# Altium PCB USB_HUB.PcbDoc (part 2 of 2)
Units mil, origin at the board's own origin, x right, y up, seen from the top; angles counter-clockwise.
Board outline 2559.06 x 3937.01 mil, 4 copper layers (Top Layer, Top GND, Bottom GND, Bottom Layer), stack 58.742 mil thick; 153 components, 104 nets, 461 pads, 534 vias.
Unrouted connection lines stored in the file: 1.
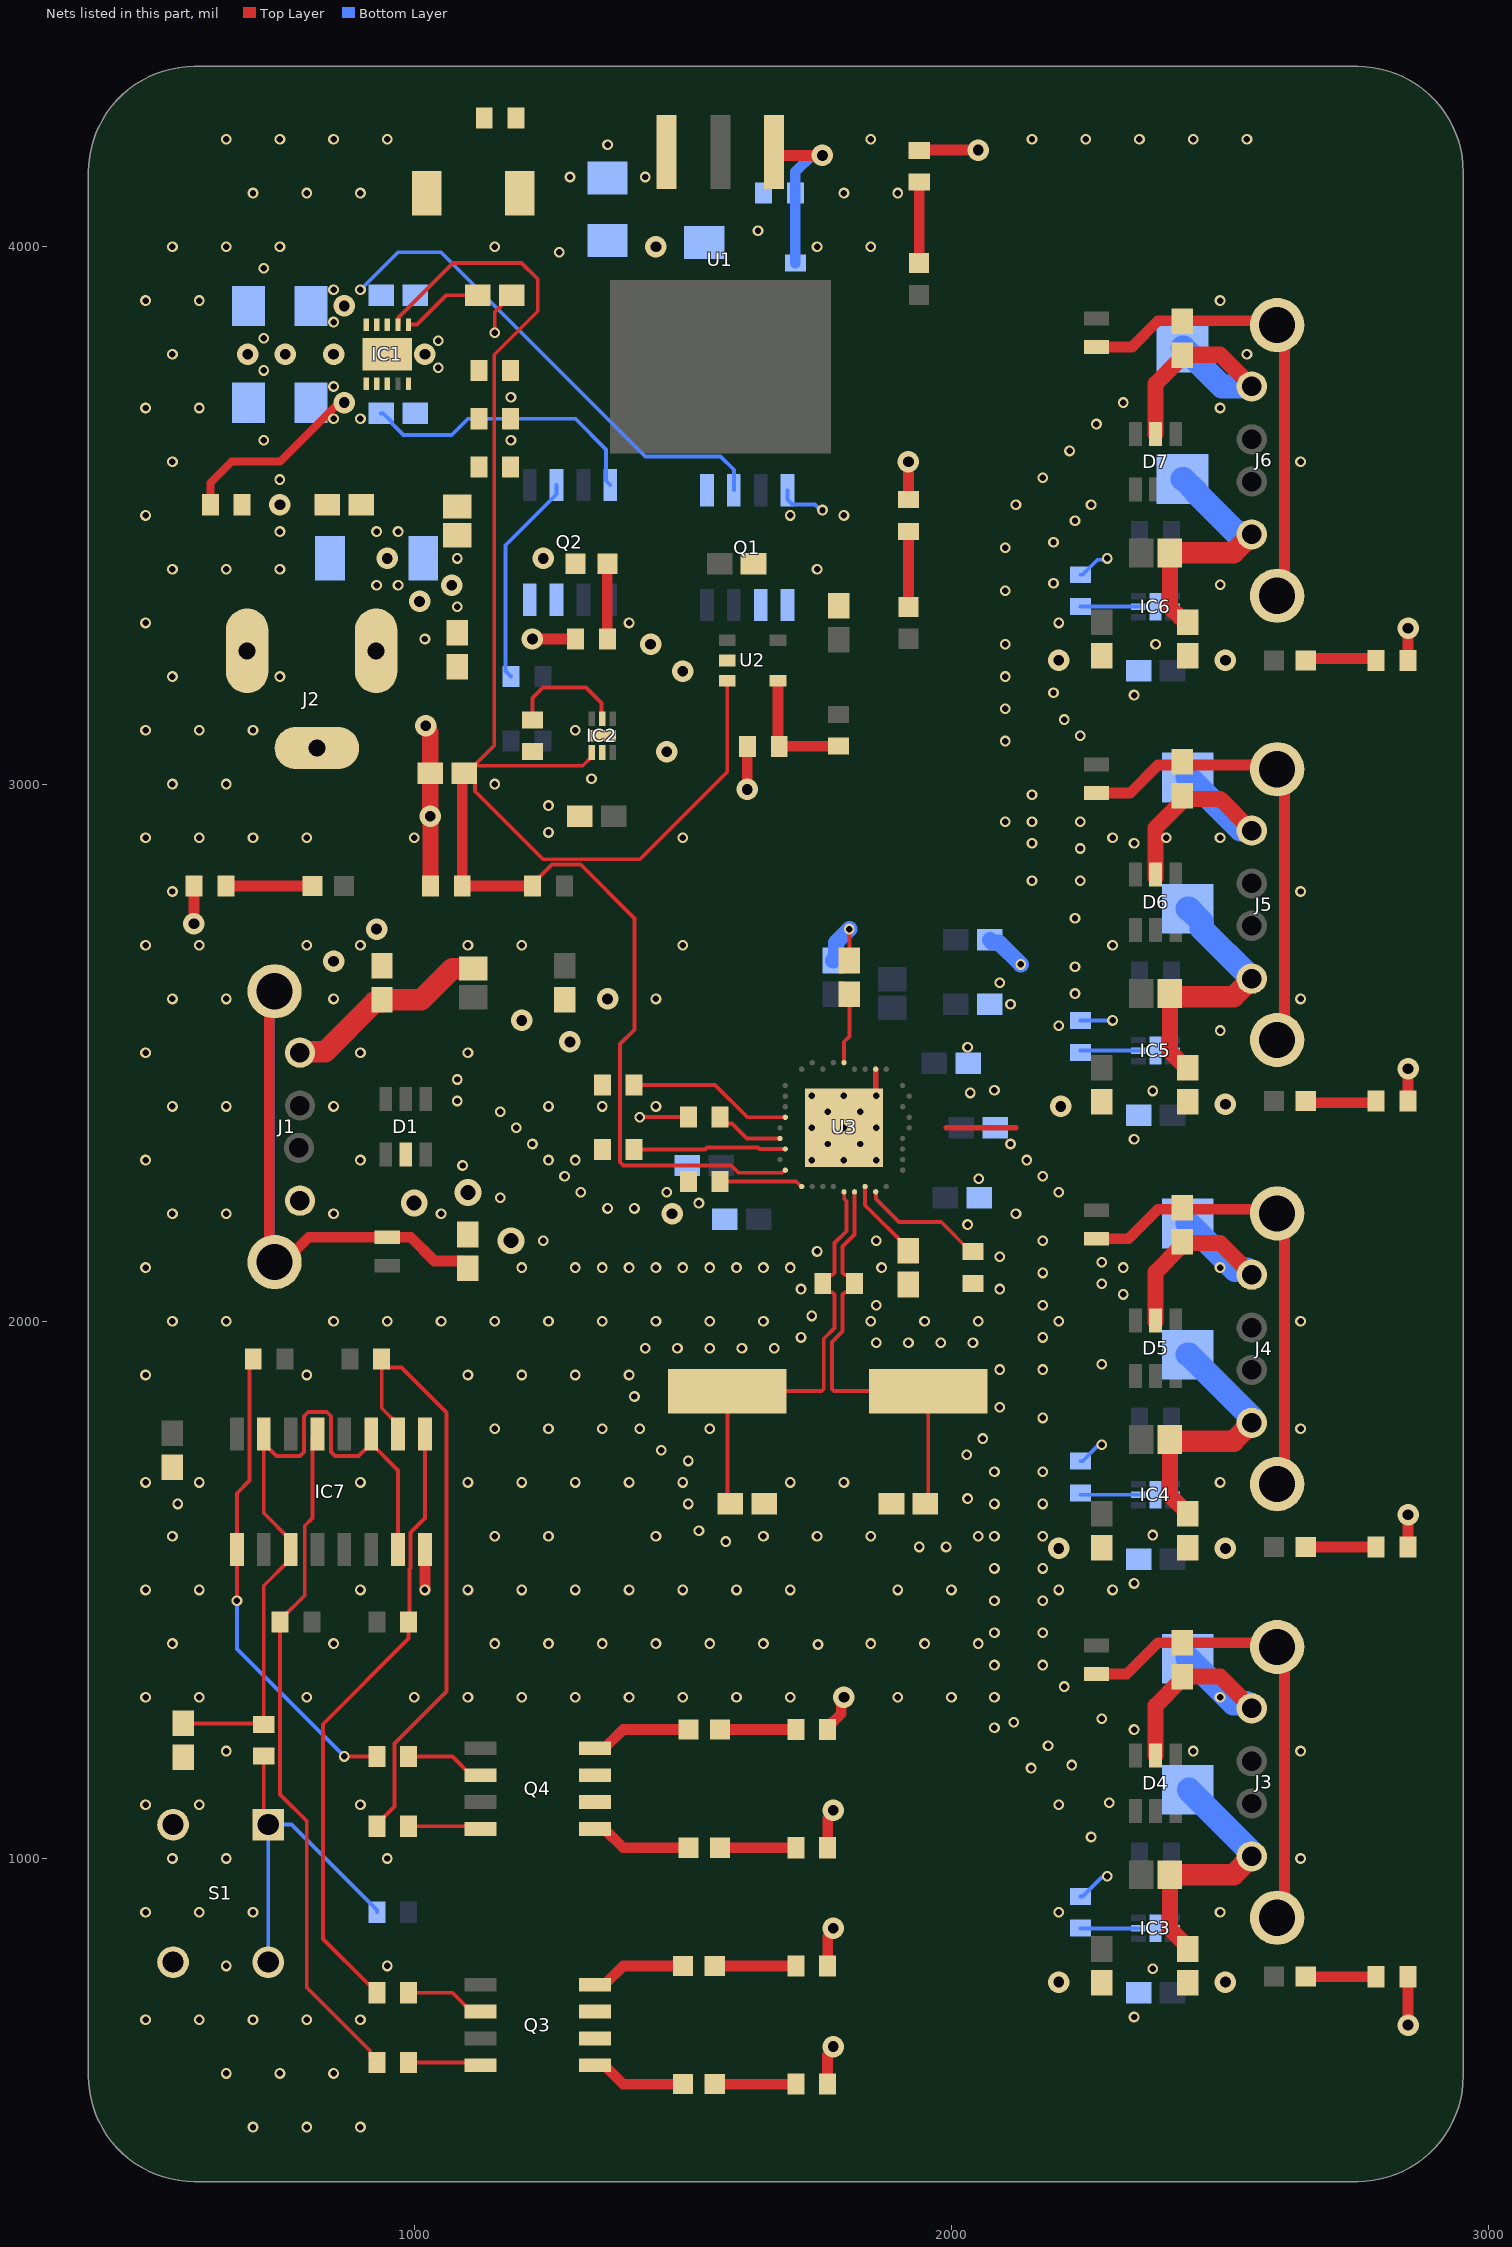
[diagram p4: the nets of this part, all layers, seen from the top]

## Via types
v1: diameter 20, hole 12, Top Layer to Bottom Layer, 456 vias
v2: diameter 40, hole 20, Top Layer to Bottom Layer, 71 vias
v3: diameter 157.48, hole 122.05, Top Layer to Bottom Layer, 4 vias
v4: diameter 50, hole 28, Top Layer to Bottom Layer, 3 vias

## Nets (pads, with @x,y where several pads share a name; then routed paths per layer and width w, separated by ;. In a path a pad name is that pad's centre, name@x,y a point inside that pad or via, vN(x,y) a via of type N, cw(c..) or ccw(c..) an arc to the next point about the centre after c; other vN are vias at no path point) (continued)
GND: C1.2 C2.2 C3.2 C4.2 C5.2 C6.2 C7.2 C8.2 C9.2 C10.2 C11.2 C12.2 C13.2 C14.2 C15.2 C16.2 C17.2 C18.2 C19.2 C20.2 C21.1 C22.1 C23.2 C24.2 C25.2 C26.2 C27.2 C28.2 C29.2 C30.2 C31.2 C32.2 C33.2 C34.2 C35.2 C36.2 C37.2 C38.2 C39.2 C40.2 C41.2 C42.2 C43.2 C44.2 C45.2 C46.2 C47.2 C48.2 C49.2 C50.2 D1.2 D4.2 D5.2 D6.2 D7.2 IC1.11 IC2.5 IC2.7 IC3.5 IC3.7 IC4.5 IC4.7 IC5.5 IC5.7 IC6.5 IC6.7 IC7.8 J1.4 J2.2 J2.3 J3.4 J4.4 J5.4 J6.4 Q1.4 R2.2 R3.1 R4.2 R7.1 R8.1 R10.2 R11.1 R12.2 R15.1 R16.1 R17.1 R18.1 R19.1 R20.1 R21.1 R22.1 R27.2 R28.2 R29.2 R30.2 R32.1 R39.2 R40.2 R45.2 R46.2 R47.1 R48.1 R49.1 R50.1 S1.3 S1.4 U2.2 U3.11 U3.37 | length 4133.7
  Top Layer w7.14: R3.1@590,2809.53 R3.1@590.47,2810 ; v1(1150,3840) 1150,3878.43 1161.35,3889.78 1161.35,3893.65 1177.71,3910 C15.2@1181.57,3910 ; v1(1420,2380) R30.2@1510.47,2380 ; R10.2@1620,3069.53 R10.2@1620.47,3070 ; C24.2@1810,2671.57 v1(1810,2730) ; U3.37@1859.06,2420.94 v1(1860,2420) ; R7.1@1940,4179.53 R7.1@1940.47,4180 ; R47.1@2849.53,780 R47.1@2850,779.53
  Top Layer w10: U3.37@1859.06,2420.94 U3.11@1859.06,2469.25 ; 1990,2360 2120,2360
  Top Layer w20: v2(590,2740) R3.1@590,2809.53 ; v1(1020,1500) IC7.8@1020,1575.43 ; R2.2@1030.24,2810.24 R2.2@1030.47,2810 ; v2(1220,3270) R12.2@1300.47,3270 ; v2(1620,2990) R10.2@1620,3069.53 ; R45.2@1769.53,580 1769.53,634.12 1780,644.59 v2(1780,650) ; R39.2@1769.53,800 1770,800.47 1770,854.59 1780,864.59 v2(1780,870) ; R46.2@1769.53,1020 1770,1020.47 1770,1074.59 1780,1084.59 v2(1780,1090) ; R40.2@1769.53,1240 1769.53,1243.94 1794.87,1269.28 1794.87,1294.87 v2(1800,1300) ; R11.1@1920,3529.53 v2(1920,3600) ; R7.1@1940.47,4180 v2(2050,4180) ; v2(2850,690) R47.1@2850,779.53 ; R48.1@2850,1575.59 2849.76,1575.83 2849.76,1639.76 v2(2850,1640) ; R49.1@2850,2405.59 2849.76,2405.83 2849.76,2469.76 v2(2850,2470) ; v2(2850,3290) 2849.76,3289.76 2849.76,3232.6 R50.1@2852.2,3230.16
  Top Layer w30: v2(1021.5,3108.5) 1021.5,3105.8 1030,3097.29 C4.2@1030,3020 v2(1030,2940) 1030.24,2939.76 R2.2@1030.24,2810.24 ; D4.2@2380,1191.65 2380,1284.57 C38.2@2425.08,1329.64 ; D5.2@2380,1998.74 D5.2@2380,2001.65 2380,2091.65 C42.2@2425.08,2136.73 ; D6.2@2380,2825.51 D6.2@2380,2831.65 2380,2918.43 C46.2@2425.08,2963.5 ; D7.2@2380,3651.65 2380,3745.2 C50.2@2425.08,3790.27 ; C38.2@2430,1338.43 2500.15,1338.43 J3.4@2559.06,1279.53 ; C42.2@2430,2145.52 2500.15,2145.52 J4.4@2559.06,2086.61 ; C46.2@2430,2972.29 2500.15,2972.29 J5.4@2559.06,2913.39 ; C50.2@2430,3799.06 2500.15,3799.06 J6.4@2559.06,3740.16
  Bottom Layer w7.14: Q1.4@1695,3546.77 1695,3529.55 1704.22,3520.32 1746.2,3520.32 1756.52,3510 v1(1760,3510) ; R19.1@2240,929.53 2243.94,929.53 2279.1,964.69 2287.64,964.69 v1(2290.1,967.15) ; R20.1@2240,1739.53 2243.94,1739.53 2271.95,1767.54 2277.54,1767.54 v1(2280,1770) ; R21.1@2240,2559.53 2240.47,2560 v1(2300,2560) ; R22.1@2240,3389.53 2243.94,3389.53 2271.95,3417.54 2287.54,3417.54 v1(2290,3420)
  Bottom Layer w30: C22.1@1780,2671.57 1784.92,2676.49 1784.92,2704.92 v1(1810,2730) ; C25.2@2071.57,2710 2076.49,2705.08 2088.26,2705.08 v1(2129.17,2664.17)
  Bottom Layer w45: C47.2@2430,3812.05 2431.97,3812.05 2503.86,3740.16 J6.4@2559.06,3740.16 ; C35.2@2440,1372.05 2441.97,1372.05 2525.08,1288.94 2549.64,1288.94 J3.4@2559.06,1279.53 ; C39.2@2440,2182.05 2441.97,2182.05 2527.99,2096.03 2549.64,2096.03 J4.4@2559.06,2086.61 ; C43.2@2440,3012.05 2441.97,3012.05 2538.46,2915.56 2556.89,2915.56 J5.4@2559.06,2913.39
  other v1: 700,500 800,500 900,500 650,600 750,600 850,600 500,700 600,700 700,700 800,700 900,700 2340,705 2375,795 650,800 950,800 500,900 600,900 700,900 2200,900 2500,900 550,1000 650,1000 950,1000 2650,1000 2260,1040 500,1100 600,1100 900,1100 2200,1100 2293.87,1103.87 2148.33,1168.33 2223.87,1173.87 650,1200 2450,1200 2650,1200 2180,1210 2340,1240 2080,1243.57 2115.95,1253.47 2280,1260 500,1300 600,1300 800,1300 1000,1300 1100,1300 1200,1300 1300,1300 1400,1300 1500,1300 1600,1300 1700,1300 1900,1300 2000,1300 2080,1300 2500,1300 2210,1320 2080,1360 2170,1360 1751.67,1398.33 550,1400 850,1400 1150,1400 1250,1400 1350,1400 1450,1400 1550,1400 1650,1400 1850,1400 1950,1400 2050,1400 2080,1420 2170,1420 2080,1480 2170,1480 500,1500 600,1500 900,1500 1100,1500 1200,1500 1300,1500 1400,1500 1500,1500 1600,1500 1700,1500 1900,1500 2000,1500 2200,1500 2300,1500 2340,1512.09 2080,1540 2170,1540 1940,1580 1990,1580 1580,1590 550,1600 1150,1600 1250,1600 1450,1600 1650,1600 1750,1600 1850,1600 2050,1600 2080,1600 2170,1600 2375,1602.09 1530,1610 560,1660 1510,1660 2080,1660 2170,1660 2030,1670 500,1700 600,1700 900,1700 1100,1700 1200,1700 1300,1700 1400,1700 1500,1700 1700,1700 1800,1700 2500,1700 2080,1720 2170,1720 1510,1740 2028.33,1751.67 1460,1760 2058.33,1781.67 1150,1800 1250,1800 1350,1800 1420,1800 1550,1800 2650,1800 2170,1820 2090,1840 1410,1860 500,1900 800,1900 1100,1900 1200,1900 1300,1900 1400,1900 2090,1910 2170,1910 2280,1920 1430,1950 1490,1950 1550,1950 1610,1950 1670,1950 1860,1960 1920,1960 1980,1960 2040,1960 1720,1970 2170,1970 550,2000 650,2000 850,2000 950,2000 1050,2000 1150,2000 1250,2000 1350,2000 1450,2000 1550,2000 1650,2000 1850,2000 1950,2000 2050,2000 2200,2000 2650,2000 1740,2010 1860,2030 2170,2030 2320,2050 1720,2060 2090,2060 2280,2070 2170,2090 500,2100 1200,2100 1300,2100 1350,2100 1400,2100 1450,2100 1500,2100 1550,2100 1600,2100 1650,2100 1700,2100 1870,2100 2320,2100 2500,2100 2280,2110 2090,2120 1750,2130 1240,2150 1860,2150 2170,2150 2030,2180 550,2200 650,2200 850,2200 1050,2200 2120,2200 1360,2210 1410,2210 1530,2220 1160,2230 1310,2240 1470,2240 2200,2240 2050.98,2265.43 1280,2270 2170,2270 1090,2290 500,2300 900,2300 1250,2300 1300,2300 1740,2300 1800,2300 1860,2300 2140,2300 1220,2330 1770,2330 1830,2330 2110,2330 2340,2338.86 1190,2360 1740,2360 1800,2360 1860,2360 1160,2390 1770,2390 1830,2390 550,2400 650,2400 850,2400 1250,2400 1350,2400 1450,2400 1080,2410 1740,2420 1800,2420 2035,2425 2375,2428.86 2080,2430 1080,2450 500,2500 900,2500 1100,2500 2030,2510 2500.48,2541.07 2200,2550 2110,2590 550,2600 650,2600 850,2600 1450,2600 2650,2600 2230,2610 2090,2630 2230,2660 500,2700 600,2700 800,2700 900,2700 1100,2700 1200,2700 1500,2700 2300,2700 2230,2750 550,2800 2650,2800 2150,2820 2240,2820 2240,2880 2150,2890 2340,2890 500,2900 600,2900 700,2900 800,2900 1000,2900 1500,2900 2300,2900 2400,2900 2500,2900 1250,2910 2100,2930 2150,2930 2240,2930 1250,2960 2150,2980 550,3000 650,3000 1150,3000 1330,3010 2100,3080 2240,3090 500,3100 600,3100 700,3100 1300,3100 2210,3120 2100,3140 2340,3165.63 2190,3170 550,3200 750,3200 2100,3200 2100,3260 2380,3260 500,3300 1400,3300 2200,3300 2100,3360 2500.48,3371.07 2190,3373.57 550,3400 650,3400 750,3400 1750,3400 2100,3440 2190,3450 750,3470 2230,3490 500,3500 1700,3500 1800,3500 2120,3520 2260,3520 749.59,3566.76 2170,3570 550,3600 2650,3600 2220,3620 720,3640 1180,3640 2270,3670 500,3700 600,3700 2500,3700 2320,3710 1180,3720 720,3770 1045,3775 550,3800 2550,3800 1045,3825 720,3830 500,3900 600,3900 2500,3900 720,3960 1270,3990 550,4000 650,4000 750,4000 1150,4000 1750,4000 1850,4000 1640,4030 700,4100 800,4100 900,4100 1800,4100 1900,4100 650,4200 750,4200 850,4200 950,4200 1850,4200 2150,4200 2250,4200 2350,4200 2450,4200 2550,4200
  other v2: 2200,770 2510,770 2200,1577.09 2510,1577.09 1480,2200 2203.57,2400 2510,2403.86 1290,2520 1200,2560 1360,2600 850,2670 930,2730 1470,3060 1500,3210 2200,3230.63 2510,3230.63 1440,3260 750,3520 690,3800 760,3800 850,3800 1020,3800 1450,4000
  other v4: 1180,2150 1000,2220 1100,2240
"Net3V3 SUPPLY_1": "3V3 SUPPLY.1" R11.2 | length 140.9
  Top Layer w20: 1920,3329.53 R11.2@1920,3470.47
"Net5V SUPPLY_1": "5V SUPPLY.1" R7.2 | length 150.9
  Top Layer w20: 1940,3969.53 R7.2@1940,4120.47
NetC1_1: C1.1 FB1.1 J1.1 | length 389.7
  Top Layer w40: J1.1@787.4,2500 789.22,2501.81 834.14,2501.81 926.97,2594.64 939.92,2594.64 940,2594.72 940,2598.47 940.08,2598.55 1013.31,2598.55 1070.88,2656.12 1109.51,2656.12 FB1.1@1110,2656.61
NetC3_1: C3.1 FB2.2 J1.MH1 J1.MH2 | length 1430.1
  Top Layer w20: J1.MH1@740.16,2614.17 730,2604.02 730,2120.39 J1.MH2@740.16,2110.24 757.58,2110.24 803.92,2156.57 993.43,2156.57 1037.78,2112.22 1090.08,2112.22 1100,2102.29 C3.1@1100,2098.43
  Bottom Layer w20: J1.MH2@740.16,2110.24 730,2120.39 730,2604.02 J1.MH1@740.16,2614.17
NetC5_1: C5.1 D2.1 FB3.1
  other v1: 1020,3270 1080,3330 930,3370 970,3370 1080,3420 930,3470 970,3470
  other v2: 1010,3340 1070,3370 950,3420
NetC7_1: C7.1 D3.1 R5.1 U1.3
  other v1: 1290,4130 1430,4130 1360,4190
NetC15_1: C15.1 IC1.6 | length 151.8
  Top Layer w7.14: IC1.6@989.37,3855.12 1005.12,3855.12 1060,3910 C15.1@1118.43,3910
NetC23_1: C23.1 U3.34 | length 152.6
  Top Layer w7.14: U3.34@1839.37,2250.75 1839.37,2216.06 1920,2135.43 C23.1@1920,2131.57
NetC24_1: C24.1 U3.14 | length 131.1
  Top Layer w7.14: U3.14@1800,2481.46 1800,2520.32 1810,2530.32 C24.1@1810,2608.43
NetC35_1: C35.1 C36.1 FB5.1 J3.1 | length 493.2
  Top Layer w30: FB5.1@2406.61,970 2406.61,868.82 2440,835.43 C36.1@2440,831.57
  Top Layer w40: FB5.1@2406.61,970 2525.12,970 J3.1@2559.06,1003.94
  Bottom Layer w7.14: C35.1@2440,1127.95 C35.1@2441.97,1127.95 ; J3.1@2559.06,1003.94 J3.1@2559.06,1010.87
  Bottom Layer w45: C35.1@2441.97,1127.95 J3.1@2559.06,1010.87
NetC38_1: C38.1 FB6.2 J3.MH1 J3.MH2 | length 1394.2
  Top Layer w20: FB6.2@2270,1343.43 2326.57,1343.43 2384.72,1401.57 C38.1@2430,1401.57 2598.43,1401.57 J3.MH2@2606.3,1393.7 2620,1380 2620,903.46 J3.MH1@2606.3,889.76
  Bottom Layer w20: J3.MH1@2606.3,889.76 2620,903.46 2620,1380 J3.MH2@2606.3,1393.7
NetC39_1: C39.1 C40.1 FB7.1 J4.1 | length 496.2
  Top Layer w30: FB7.1@2406.61,1777.09 2406.61,1675.91 2440,1642.52 C40.1@2440,1638.66
  Top Layer w40: FB7.1@2406.61,1777.09 2525.12,1777.09 J4.1@2559.06,1811.02
  Bottom Layer w45: C39.1@2440,1937.95 2441.97,1937.95 2559.06,1820.87 J4.1@2559.06,1811.02
NetC42_1: C42.1 FB8.2 J4.MH1 J4.MH2 | length 1393
  Top Layer w20: FB8.2@2270,2153.43 2329.49,2153.43 2384.72,2208.66 2598.43,2208.66 J4.MH2@2606.3,2200.79 2620,2187.09 2620,1710.55 J4.MH1@2606.3,1696.85
  Bottom Layer w20: J4.MH1@2606.3,1696.85 2620,1710.55 2620,2187.09 J4.MH2@2606.3,2200.79
NetC43_1: C43.1 C44.1 FB9.1 J5.1 | length 498.7
  Top Layer w30: FB9.1@2406.61,2603.86 2406.61,2502.68 2440,2469.29 C44.1@2440,2465.43
  Top Layer w40: FB9.1@2406.61,2603.86 2525.12,2603.86 J5.1@2559.06,2637.8
  Bottom Layer w45: C43.1@2440,2767.95 2441.97,2767.95 2465.73,2744.19 2465.73,2731.12 J5.1@2558.55,2638.3
NetC46_1: C46.1 FB10.2 J5.MH1 J5.MH2 | length 1391.7
  Top Layer w20: FB10.2@2270,2983.43 2332.72,2983.43 2384.72,3035.43 2598.43,3035.43 J5.MH2@2606.3,3027.56 2620,3013.86 2620,2537.32 J5.MH1@2606.3,2523.62
  Bottom Layer w20: J5.MH1@2606.3,2523.62 2620,2537.32 2620,3013.86 J5.MH2@2606.3,3027.56
NetC47_1: C47.1 C48.1 FB11.1 J6.1 | length 487.9
  Top Layer w30: FB11.1@2406.61,3430.63 2406.61,3329.45 2425.71,3310.36 2435.08,3310.36 2440,3305.43 C48.1@2440,3301.57
  Top Layer w40: FB11.1@2406.61,3430.63 2525.12,3430.63 J6.1@2559.06,3464.57
  Bottom Layer w45: C47.1@2430,3567.95 2431.97,3567.95 2455.73,3544.19 2455.73,3542.22 2531.22,3466.74 2556.89,3466.74 J6.1@2559.06,3464.57
NetC50_1: C50.1 FB12.2 J6.MH1 J6.MH2 | length 1390.3
  Top Layer w20: FB12.2@2270,3813.43 2335.94,3813.43 2384.72,3862.2 2598.43,3862.2 J6.MH2@2606.3,3854.33 2620,3840.63 2620,3364.09 J6.MH1@2606.3,3350.39
  Bottom Layer w20: J6.MH1@2606.3,3350.39 2620,3364.09 2620,3840.63 J6.MH2@2606.3,3854.33
NetD2_2: D2.2 J2.1
NetIC1_5: IC1.5 R15.2 R16.2 R17.2
NetIC2_2: IC2.2 R18.2 | length 219.7
  Top Layer w7.14: R18.2@1220,3119.53 1220,3160 1240,3180 1320,3180 1348.98,3151.02 1348.98,3122.52 IC2.2@1350,3121.5
NetIC3_2: IC3.2 R19.2 | length 108
  Bottom Layer w7.14: R19.2@2240.47,870 IC3.2@2348.5,870
NetIC4_2: IC4.2 R20.2 | length 108
  Bottom Layer w7.14: R20.2@2240.47,1677.09 IC4.2@2348.5,1677.09
NetIC5_2: IC5.2 R21.2 | length 108
  Bottom Layer w7.14: R21.2@2240.47,2503.86 IC5.2@2348.5,2503.86
NetIC6_2: IC6.2 R22.2 | length 108
  Bottom Layer w7.14: R22.2@2240.47,3330.63 IC6.2@2348.5,3330.63
"NetP1 FAULT_1": "P1 FAULT.1" R45.1 | length 150.9
  Top Layer w20: 1559.53,580 R45.1@1710.47,580
"NetP1 FAULT_2": "P1 FAULT.2" Q3.5 Q3.6 | length 178.2
  Top Layer w20: Q3.5@1336.77,615 1354,615 1389,580 1500.47,580
"NetP1 PWR_1": "P1 PWR.1" R47.2 | length 130.9
  Top Layer w20: 2659.53,780 R47.2@2790.47,780
"NetP2 FAULT_1": "P2 FAULT.1" R39.1 | length 150.9
  Top Layer w20: 1559.53,800 R39.1@1710.47,800
"NetP2 FAULT_2": "P2 FAULT.2" Q3.7 Q3.8 | length 178.2
  Top Layer w20: Q3.8@1336.77,765 1354,765 1389,800 1500.47,800
"NetP2 PWR_1": "P2 PWR.1" R48.2 | length 130.9
  Top Layer w20: 2659.53,1580 R48.2@2790.47,1580
"NetP3 FAULT_1": "P3 FAULT.1" R46.1 | length 140.9
  Top Layer w20: 1569.53,1020 R46.1@1710.47,1020
"NetP3 FAULT_2": "P3 FAULT.2" Q4.5 Q4.6 | length 188.2
  Top Layer w20: Q4.5@1336.77,1055 1354,1055 1389,1020 1510.47,1020
"NetP3 PWR_1": "P3 PWR.1" R49.2 | length 132.3
  Top Layer w20: 2659.53,2406.77 2787.24,2406.77 R49.2@2790.47,2410
"NetP4 FAULT_1": "P4 FAULT.1" R40.1 | length 140.9
  Top Layer w20: 1569.53,1240 R40.1@1710.47,1240
"NetP4 FAULT_2": "P4 FAULT.2" Q4.7 Q4.8 | length 188.2
  Top Layer w20: Q4.8@1336.77,1205 1354,1205 1389,1240 1510.47,1240
"NetP4 PWR_1": "P4 PWR.1" R50.2 | length 132.3
  Top Layer w20: 2659.53,3233.54 2787.24,3233.54 R50.2@2790.47,3236.77
NetQ1_1: Q1.1 Q1.5 Q1.6
NetQ2_2: Q2.2 R14.1 | length 400.5
  Bottom Layer w7.14: R14.1@1180.47,3200 1170,3210.47 1170,3444.55 1265,3539.55 Q2.2@1265,3556.77
NetQ2_7: "USB 5V OC.2" Q2.7 Q2.8
  other v2: 1240,3420
NetQ3_2: Q3.2 R41.1 | length 148.2
  Top Layer w7.14: R41.1@989.53,750 1071,750 1106,715 Q3.2@1123.23,715
NetQ3_4: Q3.4 R43.1 | length 135.8
  Top Layer w7.14: R43.1@989.53,620 1118.23,620 Q3.4@1123.23,615
NetQ4_2: Q4.2 R42.1 | length 148.2
  Top Layer w7.14: R42.1@989.53,1190 1071,1190 1106,1155 Q4.2@1123.23,1155
NetQ4_4: Q4.4 R44.1 | length 135.8
  Top Layer w7.14: R44.1@989.53,1060 1118.23,1060 Q4.4@1123.23,1055
NetR3_2: "USB PWR IN.1" R3.2 | length 160.9
  Top Layer w20: R3.2@649.53,2810 810.47,2810
NetR6_1: R6.1 R8.2 U1.1 | length 324.2
  Top Layer w7.14: U1.1@1670,4176.06 U1.1@1676.06,4170
  Top Layer w20: U1.1@1676.06,4170 v2(1760,4170)
  Bottom Layer w20: R6.1@1709.53,3970 R8.2@1709.53,4099.06 ; R8.2@1709.53,4100 1709.53,4139.53 1740,4170 v2(1760,4170)
NetR9_2: R9.2 R10.1 U2.4 | length 234.2
  Top Layer w20: U2.4@1677.24,3192.6 1677.24,3072.28 R10.1@1679.53,3070 1680,3070.47 R9.2@1790,3070.47
NetR12_1: "USB 5V OC.1" R12.1 | length 140
  Top Layer w20: R12.1@1359.53,3270 1359.53,3410
NetR27_1: R27.1 U3.28 | length 155.6
  Top Layer w7.14: R27.1@1569.53,2260 1711.26,2260 1720.51,2250.75 U3.28@1721.26,2250.75
NetR28_1: R28.1 U3.25 | length 283.9
  Top Layer w7.14: R28.1@1409.53,2320 1541.6,2320 1545.17,2323.57 1639.76,2323.57 1642.71,2320.63 U3.25@1690.75,2320.63
NetR29_1: R29.1 U3.22 | length 306.2
  Top Layer w7.14: R29.1@1409.53,2440 1559.91,2440 1620.23,2379.68 U3.22@1690.75,2379.68
NetR30_1: R30.1 U3.24 | length 127.8
  Top Layer w7.14: R30.1@1569.53,2380 1581.33,2368.19 1591.81,2368.19 1619.68,2340.32 U3.24@1680.91,2340.32
NetR32_2: R32.2 U3.35 | length 234.6
  Top Layer w7.14: U3.35@1859.06,2240.91 1859.59,2240.37 1859.59,2227.48 1902.51,2184.56 1981.03,2184.56 2036.06,2129.53 R32.2@2040,2129.53
NetR33_2: R33.2 R34.1 S1.1 S1.2 | length 658.8
  Top Layer w7.14: R34.1@720,1190.47 720,1071.34 S1.1@728.35,1062.99
  Bottom Layer w7.14: S1.2@728.35,807.09 S1.1@728.35,1062.99 771.42,1062.99 930.47,903.94 R33.2@930.47,900
P1_LTC_OUT: IC7.13 R23.2 R43.2 | length 1273.4
  Top Layer w7.14: IC7.13@820,1790 810.78,1780.78 810.78,1633.65 796.38,1619.26 796.38,1489.85 750.47,1443.94 R23.2@750.47,1440 750.47,1119.12 800,1069.59 800,760 918.3,641.7 918.3,632.18 R43.2@930.47,620
P2_LTC_OUT: IC7.9 R24.2 R41.2 | length 1162.6
  Top Layer w7.14: R41.2@930.47,750 930.47,753.94 918.3,766.11 914.36,766.11 830,850.47 830,1250 989.53,1409.53 R24.2@989.53,1440 991.41,1441.89 991.41,1538.59 993.37,1540.54 993.37,1607.06 1020,1633.69 IC7.9@1020,1790
P3_LTC_OUT: IC7.10 R25.2 R44.2 | length 1136.5
  Top Layer w7.14: R44.2@930.47,1060 930.47,1063.94 963.21,1096.67 963.21,1214.06 1060,1310.86 1060,1830 976.11,1913.89 951.7,1913.89 R25.2@939.53,1926.06 ; R25.2@939.53,1930 R25.2@939.53,1926.06 ; IC7.10@970,1790 970,1807.72 939.53,1838.19 R25.2@939.53,1926.06
P4_LTC_OUT: IC7.1 R26.2 R42.2 | length 895.9
  Top Layer w7.14: v1(670,1480) IC7.1@670,1575.43 670,1680 693.37,1703.37 693.37,1922.9 R26.2@700.47,1930 ; v1(870,1190) R42.2@930.47,1190
  Bottom Layer w7.14: v1(670,1480) 670,1390 v1(870,1190)
sw_out: C34.1 IC7.3 IC7.7 IC7.11 IC7.15 R34.2 | length 1333.4
  Top Layer w7.14: C34.1@570,1251.57 717.96,1251.57 R34.2@720,1249.53 720,1507.72 770,1557.72 IC7.3@770,1575.43 770,1593.15 720,1643.15 IC7.15@720,1772.28 ; IC7.15@720,1790 IC7.15@720,1772.28 ; IC7.11@920,1790 IC7.11@920,1772.28 ; IC7.7@970,1575.43 970,1722.28 IC7.11@920,1772.28 ; IC7.15@720,1772.28 743.37,1748.92 787.17,1748.92 795,1756.74 795,1823.26 802.83,1831.08 837.17,1831.08 845,1823.26 845,1756.74 852.83,1748.92 896.63,1748.92 IC7.11@920,1772.28
VBus_det: C4.1 IC1.7 IC2.4 R1.2 R2.1 U2.3 U3.27 | length 3713.6
  Top Layer w7.14: IC1.7@969.68,3855.12 971.03,3856.47 971.03,3868.47 1072.57,3970 1200,3970 1230,3940 1230,3880 1148.99,3798.99 1148.99,3071.98 C4.1@1111.15,3034.15 ; R1.2@1220.47,2810 1220.47,2813.94 1256.54,2850 1310,2850 1410,2750 1410,2542.75 1383.21,2515.96 1383.21,2295.94 1389.4,2289.74 1489.27,2289.74 1489.79,2290.26 1589.65,2290.26 1603.48,2276.43 1685.16,2276.43 1690,2281.26 U3.27@1690.75,2281.26 ; IC2.4@1330.32,3058.5 1330.32,3050.63 1313.84,3034.15 C4.1@1111.15,3034.15 ; U2.3@1582.76,3192.6 1582.76,3022.76 1420,2860 1240,2860 1113.35,2986.65 1113.35,3003.65 1097,3020 C4.1@1093.14,3020 1107.29,3034.15 C4.1@1111.15,3034.15
  Top Layer w20: C4.1@1089.53,3016.39 R2.1@1089.53,2810 R1.2@1220.47,2810
VCC_CL: C13.1 C14.1 D3.2 IC1.8 IC1.9 IC1.10 Q1.2 R5.2 | length 930
  Bottom Layer w7.14: v1(900,3920) 970,3990 1050,3990 1430,3610 1570,3610 1595,3585 Q1.2@1595,3546.77
  other v1: 850,3860 850,3920
  other v2: 870,3890
VCC_IN: C6.1 C11.1 C12.1 FB3.2 IC1.1 IC1.2 IC1.3 Q2.4 R4.1 | length 893.9
  Top Layer w15: R4.1@620.47,3520 620.47,3560.47 660,3600 750.43,3600 850.16,3699.73 850.68,3699.73 860.95,3710 v2(870,3710)
  Bottom Layer w7.14: C12.1@938.43,3690 942.29,3690 958.65,3673.65 958.65,3671.46 980.1,3650 1070,3650 1100,3680 1300,3680 1357.27,3622.73 1357.27,3564.5 Q2.4@1365,3556.77
  other v1: 850,3680 900,3680 850,3740
XTAL_N: C33.1 R31.2 U3.32 Y1.1 | length 804.4
  Top Layer w7.14: C33.1@1588.43,1660 1582.99,1665.44 Y1.1@1582.99,1870 1758.29,1870 1762.48,1874.18 1762.48,1967.52 1782.48,1987.52 1782.48,2049.7 1778.29,2053.89 1772.65,2053.89 1760.47,2066.06 R31.2@1760.47,2070 1760.47,2073.94 1772.65,2086.11 1778.29,2086.11 1782.48,2090.3 1782.48,2145.44 1804.64,2167.6 1804.64,2223.37 1800.53,2227.48 1800.53,2240.37 U3.32@1800,2240.91
XTAL_P: C32.1 R31.1 U3.33 Y1.2 | length 802.5
  Top Layer w7.14: U3.33@1819.68,2240.91 1819.68,2161.37 1797.52,2139.2 1797.52,2090.3 1801.71,2086.11 1807.35,2086.11 1819.53,2073.94 R31.1@1819.53,2070 1819.53,2066.06 1807.35,2053.89 1801.71,2053.89 1797.52,2049.7 1797.52,1981.29 1777.52,1961.29 1777.52,1874.18 1781.71,1870 Y1.2@1957.01,1870 1957.01,1665.44 C32.1@1951.57,1660
pads on no net: IC1.4 IC7.2

## Polygon pours and split planes (outlines as drawn)
+3V3 on Bottom Layer "+3V3_L04_P148" (solid, pour order 148): 1850,2920 1830,2920 1690,2780 1690,2510 1700,2510 1850,2660
NetC5_1 on Bottom Layer "NETC5_1_L04_P147" (solid, pour order 147): 940,3500 910,3470 910,3380 1010,3280 1010,3260 1030,3240 1080,3240 1100,3260 1100,3470 1070,3500
NetD2_2 on Bottom Layer "NETD2_2_L04_P146" (solid, pour order 146): 1000,3190 950,3140 900,3140 780,3260 780,3460 820,3500 870,3500 900,3470 900,3380 1000,3280
ETH on Bottom Layer "ETH_L04_P102" (solid, pour order 102): 2716.54,433.07 2716.54,551.18 2795.28,629.92 2913.39,629.92 2913.39,531.5 2814.96,433.07
GND on Bottom Layer "GND_L04_P140" (solid, pour order 140): 2060,2650 2090,2650 2130,2610 2130,2560 2120,2550 2070,2550 2060,2540 2060,2520 2090,2490 2090,2400 2110,2380 2110,2360 2210,2260 2210,2170 2180,2140 2100,2140 2030,2210 2030,2260 2040,2270 2040,2420 2000,2460 2000,2510 2030,2540 2030,2620
GND on Bottom Layer "GND_L04_P133" (solid, pour order 133): 1530,2310 1520,2320 1520,2330 1470,2330 1450,2310 1450,2170 1480,2140 1600,2140 1610,2150 1610,2210 1530,2290
GND on Bottom Layer "GND_L04_P049" (solid, pour order 49): 2420,3340.63 2400,3340.63 2390,3350.63 2370,3350.63 2370,3310.63 2300,3240.63 2300,3180.63 2330,3150.63 2350,3150.63 2380,3180.63 2380,3240.63 2390,3250.63 2390,3310.63 2400,3320.63 2420,3320.63
GND on Bottom Layer "GND_L04_P048" (solid, pour order 48): 2420,2513.86 2400,2513.86 2390,2523.86 2370,2523.86 2370,2483.86 2300,2413.86 2300,2353.86 2330,2323.86 2350,2323.86 2380,2353.86 2380,2413.86 2390,2423.86 2390,2483.86 2400,2493.86 2420,2493.86
GND on Bottom Layer "GND_L04_P046" (solid, pour order 46): 2420,880 2400,880 2390,890 2370,890 2370,850 2300,780 2300,720 2330,690 2350,690 2380,720 2380,780 2390,790 2390,850 2400,860 2420,860
ETH on Bottom Layer "ETH_L04_P103" (solid, pour order 103): 433.07,629.92 551.18,629.92 629.92,551.18 629.92,433.07 531.5,433.07 433.07,531.5
ETH on Bottom Layer "ETH_L04_P099" (solid, pour order 99): 2913.39,4094.49 2795.28,4094.49 2716.54,4173.23 2716.54,4291.34 2814.96,4291.34 2913.39,4192.91
ETH on Bottom Layer "ETH_L04_P097" (solid, pour order 97): 629.92,4291.34 629.92,4173.23 551.18,4094.49 433.07,4094.49 433.07,4192.91 531.5,4291.34
+5 on Bottom Layer "+5_L04_P075" (solid, pour order 75): 2390,1527.09 2410,1507.09 2840,1507.09 2910,1577.09 2910,1597.09 2410,1597.09 2390,1577.09
+5 on Bottom Layer "+5_L04_P073" (solid, pour order 73): 1610,3305 1635,3280 1720,3280 2000,3560 2000,4000 2130,4130 2730,4130 2910,3950 2910,770 2840,700 2640,700 2610,730 2610,780 2690,860 2690,3880 2620,3950 2510,3950 2370,3810 2370,3650 1850,3130 1650,3130 1500,3280 1500,3310 1510,3320 1600,3320 1610,3310
+5 on Bottom Layer "+5_L04_P077" (solid, pour order 77): 2390,2353.86 2410,2333.86 2840,2333.86 2910,2403.86 2910,2423.86 2410,2423.86 2390,2403.86
+5 on Bottom Layer "+5_L04_P082" (solid, pour order 82): 2390,3180.63 2410,3160.63 2840,3160.63 2910,3230.63 2910,3250.63 2410,3250.63 2390,3230.63
+5V_P4 on Bottom Layer "+5V_P4_L04_P018" (solid, pour order 18): 2360,3292.91 2360,3322.91 2240,3322.91 2220,3302.91 2220,3282.91 2230,3272.91 2340,3272.91
+5V_P3 on Bottom Layer "+5V_P3_L04_P015" (solid, pour order 15): 2360,2466.77 2360,2496.77 2240,2496.77 2220,2476.77 2220,2456.77 2230,2446.77 2340,2446.77
+5V_P1 on Bottom Layer "+5V_P1_L04_P013" (solid, pour order 13): 2360,832.91 2360,862.91 2240,862.91 2220,842.91 2220,822.91 2230,812.91 2340,812.91
+5V_P2 on Bottom Layer "+5V_P2_L04_P014" (solid, pour order 14): 2360,1640 2360,1670 2240,1670 2220,1650 2220,1630 2230,1620 2340,1620
+3V3 on Bottom Layer "Bottom Layer-+3V3" (solid, pour order 93): 1830,2610 1840,2620 1926.7,2620 1956.7,2650 1990,2650 2040,2700 2040,3030 2060,3050 2060,3250 2040,3270 2000,3270 1820,3090 1820,2651.8 1800,2631.8 1800,2630 1760,2630 1730,2600 1730,2570 1550,2390 1550,2270 1580,2240 1620,2240 1670,2290 1670,2380 1830,2540
+3V3_A on Bottom Layer "+3V3_A_L04_P092" (solid, pour order 92): 2030,2620 2010,2640 1970,2640 1930,2600 1850,2600 1840,2590 1840,2540 1680,2380 1680,2290 1620,2230 1620,2160 1640,2140 1990,2140 2010,2160 2010,2260 2040,2290 2040,2400 1990,2450 1990,2510 2030,2550
+5_in on Bottom Layer "+5_IN_L04_P091" (solid, pour order 91): 1270,2910 1270,2730 1310,2690 1370,2690 1450,2770 1450,3000 1400,3050 1380,3050 1370,3040 1370,3010
+5 on Bottom Layer "+5_L04_P090" (solid, pour order 90): 2390,746.25 2390,710 2340,660 2340,650 2590,650 2590,746.25
+5 on Bottom Layer "+5_L04_P072" (solid, pour order 72): 2390,720 2410,700 2840,700 2910,770 2910,790 2410,790 2390,770
+5 on Bottom Layer "+5_L04_P089" (solid, pour order 89): 2910,790 2910,770 2580,440 1030,440 970,500 970,870 970,1120 1030,1180 2100,1180 2150,1130 2150,760 2240,670 2500,670 2620,790
+5 on Bottom Layer "+5_L04_P087" (solid, pour order 87): 2570,3240.63 2488.95,3321.68 2400,3321.68 2400,3170.63 2410,3160.63
+5 on Bottom Layer "+5_L04_P078" (solid, pour order 78): 2570,2413.86 2488.95,2494.91 2400,2494.91 2400,2343.86 2410,2333.86
+5 on Bottom Layer "+5_L04_P076" (solid, pour order 76): 2570,1587.09 2488.95,1668.13 2400,1668.13 2400,1517.09 2410,1507.09
+5 on Bottom Layer "+5_L04_P074" (solid, pour order 74): 2570,780 2488.95,861.05 2400,861.05 2400,710 2410,700
+5 on Bottom Layer "+5_L04_P071" (solid, pour order 71): 1470,3310 1500,3280 1590,3280 1610,3300 1610,3310
+5_REG on Bottom Layer "+5_REG_L04_P070" (solid, pour order 70): 1310,3940 1280,3910 1280,3770 1430,3620 1590,3620 1630,3580 1630,3510 1660,3510 1660,3580 1680,3600 1850,3600 1880,3630 1880,3910 1850,3940
NetC7_1 on Bottom Layer "NETC7_1_L04_P069" (solid, pour order 69): 1320,4200 1280,4160 1280,4100 1290,4090 1430,4090 1440,4100 1440,4160 1400,4200
GND on Bottom Layer "GND_L04_P068" (solid, pour order 68): 1670,4030 1590,3950 1260,3950 1230,3980 1230,4040 1260,4070 1550,4070 1630,4150 1660,4150 1670,4140
NetQ1_1 on Bottom Layer "NETQ1_1_L04_P021" (solid, pour order 21): 1560,3580 1560,3520 1710,3370 1710,3300 1630,3300 1630,3370 1530,3470 1530,3580
GND on Bottom Layer "GND_L04_P063" (solid, pour order 63): 740,3860 780,3820 890,3820 890,3780 780,3780 740,3740
GND on Bottom Layer "GND_L04_P055" (solid, pour order 55): 660,3660 690,3630 730,3630 750,3650 750,3950 730,3970 690,3970 660,3940
VCC_CL on Bottom Layer "VCC_CL_L04_P054" (solid, pour order 54): 960,3940 950,3950 780,3950 760,3930 760,3850 780,3830 880,3830 890,3840 920,3840 960,3880 960,3890
VCC_IN on Bottom Layer "VCC_IN_L04_P053" (solid, pour order 53): 760,3670 780,3650 950,3650 960,3660 960,3720 920,3760 890,3760 880,3770 780,3770 760,3750
GND on Bottom Layer "GND_L04_P047" (solid, pour order 47): 2420,1687.09 2400,1687.09 2390,1697.09 2370,1697.09 2370,1650 2300,1580 2300,1527.09 2330,1497.09 2350,1497.09 2380,1527.09 2380,1587.09 2390,1597.09 2390,1657.09 2400,1667.09 2420,1667.09
+5V_CL on Bottom Layer "+5V_CL_L04_P028" (solid, pour order 28): 1380,3380 1380,3280 1490,3170 1490,3120 1460,3090 1430,3090 1300,3220 1300,3380
+5 on Bottom Layer "+5_L04_P034" (solid, pour order 34): 1330,3530 1360,3500 1480,3500 1610,3370 1610,3300 1480,3300 1300,3480 1300,3530
GND on Bottom Layer "GND_L04_P019" (solid, pour order 19): 980,3930 980,3880 930,3830 900,3830 890,3820 890,3780 900,3770 930,3770 980,3720 980,3670 1010,3640 1030,3640 1060,3670 1060,3930 1030,3960 1010,3960
+5 on Bottom Layer "+5_L04_P030" (solid, pour order 30): 1200,3530 1200,3610 1240,3650 1290,3650 1330,3610 1330,3530 1300,3530 1300,3600 1280,3620 1250,3620 1230,3600 1230,3530
NetQ2_7 on Bottom Layer "NETQ2_7_L04_P023" (solid, pour order 23): 1280,3310 1200,3310 1200,3430 1220,3450 1260,3450 1280,3430
+5_REG on Top Layer "+5_REG_L01_P149" (solid, pour order 149): 1560,4010 1480,3930 1480,3920 1660,3920 1660,3930 1580,4010
GND on Top Layer "GND_L01_P132" (solid, pour order 132): 1960,2500 2040,2500 2160,2620 2160,3050 2110,3100 2110,3490 2320,3700 2370,3700 2370,3730 2410,3770 2250,3770 2220,3800 2220,3890 2510,4180 2510,4220 2480,4250 2040,4250 2010,4220 2010,3870 1890,3750 1890,3520 1910,3500 1950,3500 1980,3470 1980,3320 2010,3290 2060,3290 2080,3270 2080,3030 2050,3000 2070,2980 2070,2640 1950,2520 1950,2510
GND on Top Layer "GND_L01_P122" (solid, pour order 122): 1960,2310 2020,2310 2180,2150 2180,2040 2300,1920 2300,1750 2210,1660 2210,1630 2320,1520 2320,1500 2250,1430 2240,1430 2220,1410 2220,1340 2250,1310 2390,1310 2390,1250 2370,1230 2280,1230 2160,1350 2160,2030 2150,2040 2150,2150 2010,2290 1980,2290
NetC5_1 on Top Layer "NETC5_1_L01_P006" (solid, pour order 6): 1100,3260 1060,3260 960,3160 900,3160 870,3190 870,3450 910,3490 1110,3490 1140,3460 1140,3300
GND on Top Layer "GND_L01_P145" (solid, pour order 145): 1160,3790 1160,3570 1200,3570 1220,3590 1220,3770 1200,3790
GND on Top Layer "GND_L01_P143" (solid, pour order 143): 660,3570 680,3590 840,3590 860,3570 860,3470 840,3450 680,3450 660,3470
GND on Top Layer "GND_L01_P142" (solid, pour order 142): 530,1210 480,1160 480,790 530,740 570,740 620,790 620,1190 600,1210
GND on Top Layer "GND_L01_P126" (solid, pour order 126): 1980,2430 1970,2420 2080,2420 2235,2575 2235,2795 2320,2880 2380,2880 2380,2918.43 2402.54,2940.96 2279.04,2940.96 2250,2970 2250,3160 2179.57,3230.43 2169.92,3230.43 2169.92,3220.43 2180,3210.35 2180,3130 2230,3080 2230,2820 2220,2810 2220,2580 2070,2430
+5_in on Top Layer "+5_IN_L01_P003" (solid, pour order 3): 1090,2630 970,2510 970,2390 1000,2390 1000,2450 1140,2590 1140,2630
GND on Top Layer "GND_L01_P136" (solid, pour order 136): 510,1750 480,1720 480,1660 510,1630 600,1630 630,1660 630,1720 600,1750
GND on Top Layer "GND_L01_P135" (solid, pour order 135): 1060,3240 970,3150 890,3150 760,3280 760,3320 730,3350 640,3350 610,3320 610,3130 740,3000 1050,3000 1050,3030 1130,3110 1130,3220 1110,3240
GND on Top Layer "GND_L01_P129" (solid, pour order 129): 2090,2330 2060,2360 2120,2360
GND on Top Layer "GND_L01_P128" (solid, pour order 128): 2180,3250 2180,3450 2260,3530 2300,3530 2320,3510 2320,3400 2230,3310 2230,3250
GND on Top Layer "GND_L01_P127" (solid, pour order 127): 2250,3059.37 2350,3159.37 2350,3160 2240,3160 2236.38,3156.38 2236.38,3059.37
GND on Top Layer "Top Layer-GND" (solid, pour order 125): 2090,2330 2230,2190 2230,2120 2240,2110 2240,2090 2290,2040 2374.8,2040 2380,2045.2 2380,2080 2400,2100 2400,2130 2250,2130 2250,2260 2320,2330 2320,2360 2248.86,2360 2182.5,2426.36 2130,2380 2090,2340
GND on Top Layer "GND_L01_P035" (solid, pour order 35): 2199.5,3270 2169.92,3240.43 2169.92,3220.43 2239.92,3150.43 2469.92,3150.43 2539.92,3220.43 2539.92,3240.43 2510.35,3270
GND on Top Layer "GND_L01_P031" (solid, pour order 31): 2195,2438.86 2170,2413.86 2170,2393.86 2240,2323.86 2470,2323.86 2540,2393.86 2540,2413.86 2515,2438.86
GND on Top Layer "GND_L01_P024" (solid, pour order 24): 2195,805 2170,780 2170,760 2240,690 2470,690 2540,760 2540,780 2515,805
GND on Top Layer "GND_L01_P029" (solid, pour order 29): 2195,1612.09 2170,1587.09 2170,1567.09 2240,1497.09 2470,1497.09 2540,1567.09 2540,1587.09 2515,1612.09
GND on Top Layer "GND_L01_P120" (solid, pour order 120): 1910,1490 1940,1490 2040,1390 2040,1510 1910,1510
GND on Top Layer "GND_L01_P119" (solid, pour order 119): 2000,1590 2020,1610 2060,1610 2060,1550 2000,1550
GND on Top Layer "GND_L01_P118" (solid, pour order 118): 1470,1970 1390,1890 1390,1970
GND on Top Layer "Top Layer-GND 1" (solid, pour order 117): 1460,1480 2030,1480 2030,1560 2000,1590 1950,1590 1920,1620 1620,1620 1600,1600 1560,1600 1520,1640 1520,1750 1500,1770 1470,1770 1420,1820 1420,1950 1330,1950 1330,1610
GND on Top Layer "GND_L01_P112" (solid, pour order 112): 1920,1780 1900,1800 1640,1800 1620,1780 1620,1620 1650,1590 1890,1590 1920,1620
GND on Top Layer "GND_L01_P111" (solid, pour order 111): 2100,1880 2100,1810 2080,1790 2080,1880
GND on Top Layer "GND_L01_P110" (solid, pour order 110): 2090,1830 2090,1310 2310,1090 2310,1030 2290,1010 2200,1010 2020,1190 2020,1760
GND on Top Layer "GND_L01_P109" (solid, pour order 109): 1950,2230 2010,2230 2100,2140 2100,2050 2080,2030 2080,1940 2100,1920 2100,1820 2080,1820 2080,1920 2060,1940 1840,1940 1830,1950 1830,2020 1860,2050 1860,2090 1830,2120 1830,2140 1840,2150 1840,2180 1850,2180 1890,2140 1890,2100 1900,2090 1980,2090 1990,2100 2060,2100 2070,2110 2070,2140 2060,2150 2030,2150
GND on Top Layer "GND_L01_P107" (solid, pour order 107): 1780,2180 1720,2120 1290,2120 1100,2310 1070,2310 1038.41,2278.41 1001.59,2278.41 1001.59,2218.41 1080,2140 1130,2140 1330,1940 1720,1940 1730,1950 1730,1980 1750,2000 1750,2020 1730,2040 1730,2100 1790,2160 1790,2180
GND on Top Layer "GND_L01_P106" (solid, pour order 106): 1530,2190 1670,2190 1680,2200 1680,2230 1670,2240 1600,2240 1590,2230 1589.68,2230.32 1536.22,2230.32
GND on Top Layer "GND_L01_P105" (solid, pour order 105): 1090,2530 1170,2530 1220,2480 1360,2480 1370,2470 1370,2290 1390,2270 1540,2270 1540,2200 1530,2190 1330,2190 1140,2380 1060,2380 1060,2500
ETH on Top Layer "ETH_L01_P104" (solid, pour order 104): 433.07,629.92 551.18,629.92 629.92,551.18 629.92,433.07 531.5,433.07 433.07,531.5
ETH on Top Layer "ETH_L01_P101" (solid, pour order 101): 2716.54,433.07 2716.54,551.18 2795.28,629.92 2913.39,629.92 2913.39,531.5 2814.96,433.07
ETH on Top Layer "ETH_L01_P100" (solid, pour order 100): 2913.39,4094.49 2795.28,4094.49 2716.54,4173.23 2716.54,4291.34 2814.96,4291.34 2913.39,4192.91
ETH on Top Layer "ETH_L01_P098" (solid, pour order 98): 629.92,4291.34 629.92,4173.23 551.18,4094.49 433.07,4094.49 433.07,4192.91 531.5,4291.34
VCC_CL on Top Layer "VCC_CL_L01_P050" (solid, pour order 50): 780,3910 970,4100 970,4150 1110,4290 1140,4290 1150,4280 1150,4200 1090,4140 1090,4040 960,3910
NetC7_1 on Top Layer "NETC7_1_L01_P051" (solid, pour order 51): 1170,4270 1190,4290 1450,4290 1490,4250 1490,4100 1420,4030 1190,4030 1170,4050
+5_in on Top Layer "+5_IN_L01_P084" (solid, pour order 84): 1260,2830 1260,2640 1300,2640 1380,2720 1380,2750 1300,2830
+3V3 on Top Layer "+3V3_L01_P083" (solid, pour order 83): 1960,3280 1970,3270 2040,3270 2060,3250 2060,3050 2040,3030 1840,3030 1819.68,3050.31 1819.68,3279.68 1820,3280
GND on Top Layer "GND_L01_P061" (solid, pour order 61): 1570,3240 1530,3240 1480,3290 1430,3290 1420,3280 1420,3250 1490,3180 1520,3180 1560,3220 1570,3220
+5 on Top Layer "+5_L01_P065" (solid, pour order 65): 1090,1220 1110,1240 1260,1240 1280,1220 1280,670 1260,650 1090,650 1090,680 1160,680 1180,700 1180,730 1160,750 1090,750 1070,770 1070,930 1180,1040 1180,1070 1160,1090 1090,1090 1090,1120 1160,1120 1180,1140 1180,1170 1160,1190 1090,1190
GND on Top Layer "GND_L01_P060" (solid, pour order 60): 1560,3240 1560,3220 1630,3220 1650,3240 1650,3290 1670,3310 1820,3310 1840,3330 1840,3380 1760,3460 1630,3460 1610,3440 1610,3250 1600,3240
+5 on Top Layer "+5_L01_P059" (solid, pour order 59): 1600,3250 1600,3440 1580,3460 1480,3460 1460,3440 1460,3320 1530,3250
+3V3 on Top Layer "+3V3_L01_P057" (solid, pour order 57): 1660,3280 1760,3280 1770,3290 1950,3290 1970,3270 1970,3220 1860,3110 1750,3110 1720,3140 1720,3190 1660,3250
+5_REG on Top Layer "+5_REG_L01_P056" (solid, pour order 56): 1310,3940 1280,3910 1280,3630 1310,3600 1850,3600 1880,3630 1880,3910 1850,3940
+5_REG on Top Layer "+5_REG_L01_P052" (solid, pour order 52): 1550,4250 1550,3920 1590,3920 1590,4250
GND on Top Layer "GND_L01_P045" (solid, pour order 45): 1370,3100 1400,3100 1420,3080 1500,3080 1510,3070 1510,3040 1500,3030 1430,3030 1380,3080 1370,3080
GND on Top Layer "GND_L01_P044" (solid, pour order 44): 1320,3100 1380,3100 1380,3080 1370,3080 1360,3070 1360,3010 1330,2980 1330,2890 1320,2880 1250,2880 1230,2900 1230,2970 1250,2990 1290,2990 1340,3040 1340,3070 1330,3080 1320,3080
+5_in on Top Layer "+5_IN_L01_P042" (solid, pour order 42): 1365,3070 1380,3070 1450,3000 1450,2920 1410,2880 1360,2880 1350,2890 1350,2990 1365,3005
"NetP1 FAULT_2" on Top Layer "NETP1_FAULT_2_L01_P041" (solid, pour order 41): 1370,680 1300,680 1300,600 1370,600
"NetP2 FAULT_2" on Top Layer "NETP2_FAULT_2_L01_P040" (solid, pour order 40): 1300,780 1300,700 1370,700 1370,780
"NetP3 FAULT_2" on Top Layer "NETP3_FAULT_2_L01_P039" (solid, pour order 39): 1370,1120 1300,1120 1300,1040 1370,1040
"NetP4 FAULT_2" on Top Layer "NETP4_FAULT_2_L01_P037" (solid, pour order 37): 1300,1220 1300,1140 1370,1140 1370,1220
+5 on Top Layer "+5_L01_P036" (solid, pour order 36): 680,1760 510,1760 490,1780 490,1840 520,1870 660,1870 680,1850
NetIC1_5 on Top Layer "NETIC1_5_L01_P011" (solid, pour order 11): 980,3760 980,3690 1100,3570 1140,3570 1140,3800 1130,3810 1090,3810 1040,3760
GND on Top Layer "GND_L01_P025" (solid, pour order 25): 1000,3830 1040,3830 1050,3820 1050,3780 1040,3770 1000,3770
+5V_CL on Top Layer "+5V_CL_L01_P017" (solid, pour order 17): 1360,3110 1400,3110 1420,3090 1480,3090 1500,3110 1500,3160 1420,3240 1360,3240 1330,3210 1330,3180 1360,3150
NetQ2_7 on Top Layer "NETQ2_7_L01_P016" (solid, pour order 16): 1320,3430 1300,3450 1220,3450 1200,3430 1200,3390 1220,3370 1300,3370 1320,3390
GND on Top Layer "GND_L01_P012" (solid, pour order 12): 1000,3830 790,3830 700,3920 670,3920 660,3910 660,3690 670,3680 700,3680 790,3770 1000,3770
VCC_IN on Top Layer "VCC_IN_L01_P009" (solid, pour order 9): 1110,3500 1100,3490 890,3490 870,3510 870,3600 780,3690 960,3690 1110,3540
VCC_IN on Top Layer "VCC_IN_L01_P004" (solid, pour order 4): 780,3740 800,3760 960,3760 960,3690 930,3660 810,3660 780,3690
VCC_CL on Top Layer "VCC_CL_L01_P005" (solid, pour order 5): 960,3840 800,3840 780,3860 780,3910 810,3940 930,3940 960,3910
GND on Top Layer "GND_L01_P000" (solid, pour order 0): 910,2770 820,2680 820,2650 840,2630 970,2630 1000,2660 1000,2720 950,2770
GND on Top Layer "GND_L01_P002" (solid, pour order 2): 1230,2630 1170,2570 1170,2540 1220,2490 1330,2490 1390,2550 1390,2610 1370,2630
GND on Top Layer "GND_L01_P001" (solid, pour order 1): 1080,2140 1040,2180 980,2180 950,2210 950,2260 970,2280 970,2330 1000,2330 1000,2280 1020,2260 1140,2260 1220,2180 1220,2130 1200,2110 1160,2110 1130,2140
GND on Bottom GND (split plane): 2767.47,4315.32 2778.99,4314.19 2790.41,4312.31 2801.68,4309.68 2812.75,4306.32 2823.58,4302.24 2834.12,4297.47 2844.33,4292.01 2854.16,4285.9 2863.56,4279.16 2872.51,4271.82 2880.95,4263.91 2888.86,4255.46 2896.21,4246.51 2902.95,4237.11 2909.06,4227.28 2914.51,4217.07 2919.29,4206.53 2923.37,4195.7 2926.72,4184.63 2929.35,4173.36 2931.24,4161.94 2932.37,4150.42 2932.73,4139.55 2932.66,4138.86 2932.66,595.55 2932.73,594.85 2932.37,583.99 2931.24,572.47 2929.35,561.05 2926.72,549.78 2923.37,538.71 2919.29,527.88 2914.51,517.33 2909.06,507.13 2902.95,497.3 2896.21,487.89 2888.86,478.95 2880.95,470.5 2872.51,462.59 2863.56,455.25 2854.16,448.51 2844.33,442.4 2834.12,436.94 2823.58,432.17 2812.75,428.09 2801.68,424.73 2790.41,422.1 2778.99,420.22 2767.47,419.08 2756.6,418.73 2755.91,418.8 590.55,418.8 589.85,418.73 578.99,419.08 567.47,420.22 556.05,422.1 544.78,424.73 533.71,428.09 522.88,432.17 512.33,436.94 502.13,442.4 492.3,448.51 482.89,455.25 473.95,462.59 465.5,470.5 457.59,478.95 450.25,487.89 443.51,497.3 437.4,507.13 431.94,517.33 427.17,527.88 423.09,538.71 419.73,549.78 417.1,561.05 415.22,572.47 414.08,583.98 413.73,594.85 413.8,595.55 413.8,4138.86 413.73,4139.56 414.08,4150.42 415.22,4161.94 417.1,4173.36 419.73,4184.63 423.09,4195.7 427.17,4206.53 431.94,4217.07 437.4,4227.28 443.51,4237.11 450.25,4246.51 457.59,4255.46 465.5,4263.91 473.95,4271.82 482.89,4279.16 492.3,4285.9 502.13,4292.01 512.33,4297.47 522.88,4302.24 533.71,4306.32 544.78,4309.68 556.05,4312.31 567.47,4314.19 578.98,4315.32 589.85,4315.68 590.55,4315.61 2755.9,4315.61 2755.91,4315.61 2756.6,4315.68
GND on Top GND (split plane): 2767.47,4315.32 2778.99,4314.19 2790.41,4312.31 2801.68,4309.68 2812.75,4306.32 2823.58,4302.24 2834.12,4297.47 2844.33,4292.01 2854.16,4285.9 2863.56,4279.16 2872.51,4271.82 2880.95,4263.91 2888.86,4255.46 2896.21,4246.51 2902.95,4237.11 2909.06,4227.28 2914.51,4217.07 2919.29,4206.53 2923.37,4195.7 2926.72,4184.63 2929.35,4173.36 2931.24,4161.94 2932.37,4150.42 2932.73,4139.55 2932.66,4138.86 2932.66,595.55 2932.73,594.85 2932.37,583.99 2931.24,572.47 2929.35,561.05 2926.72,549.78 2923.37,538.71 2919.29,527.88 2914.51,517.33 2909.06,507.13 2902.95,497.3 2896.21,487.89 2888.86,478.95 2880.95,470.5 2872.51,462.59 2863.56,455.25 2854.16,448.51 2844.33,442.4 2834.12,436.94 2823.58,432.17 2812.75,428.09 2801.68,424.73 2790.41,422.1 2778.99,420.22 2767.47,419.08 2756.6,418.73 2755.91,418.8 590.55,418.8 589.85,418.73 578.99,419.08 567.47,420.22 556.05,422.1 544.78,424.73 533.71,428.09 522.88,432.17 512.33,436.94 502.13,442.4 492.3,448.51 482.89,455.25 473.95,462.59 465.5,470.5 457.59,478.95 450.25,487.89 443.51,497.3 437.4,507.13 431.94,517.33 427.17,527.88 423.09,538.71 419.73,549.78 417.1,561.05 415.22,572.47 414.08,583.98 413.73,594.85 413.8,595.55 413.8,4138.86 413.73,4139.56 414.08,4150.42 415.22,4161.94 417.1,4173.36 419.73,4184.63 423.09,4195.7 427.17,4206.53 431.94,4217.07 437.4,4227.28 443.51,4237.11 450.25,4246.51 457.59,4255.46 465.5,4263.91 473.95,4271.82 482.89,4279.16 492.3,4285.9 502.13,4292.01 512.33,4297.47 522.88,4302.24 533.71,4306.32 544.78,4309.68 556.05,4312.31 567.47,4314.19 578.98,4315.32 589.85,4315.68 590.55,4315.61 2755.9,4315.61 2755.91,4315.61 2756.6,4315.68

## Keep-outs
Keep-Out Layer:
  the board outline again, w20

## Silkscreen, mask and mechanical layers (free items; w line width, h text height)
Top Overlay:
  text "7-14V" at 452,3898 h100 r270
  text "ANDREW C." at 1045,1435 h120
  text "USB 2.0 HS HUB" at 1042,1312 h80
Bottom Overlay:
  text "USB HUB REV 1.0" at 2435,1915 h120
  text "DESIGN: AC" at 2118,1792 h80
  text "ROUTING: AC" at 2118,1682 h80
  text "USB 2.0 Hi-Speed" at 2120,1579.99 h60
  text "Fully ESD protected" at 2120,1489.99 h60
  text "USB or EXT 6.8-18V PWR" at 2120,1390 h60
  text "Current limited IO" at 2120,1300 h60
  text "USB back current protection" at 2120,1209.99 h60
  text "(with EXT supply)" at 1880,1119.99 h60